# Altium PCB SoDeRa-PCIe_1v0.PcbDoc (part 3 of 8)
Units mm, origin at the board's own origin, x right, y up, seen from the top; angles counter-clockwise.
Board outline 136.85 x 68.9 mm, 12 copper layers (Top, L2, L3, L4, L5, L6, L7, L8, L9, L10, L11, Bottom), stack 1.638 mm thick; 750 components, 495 nets, 3617 pads, 1756 vias.
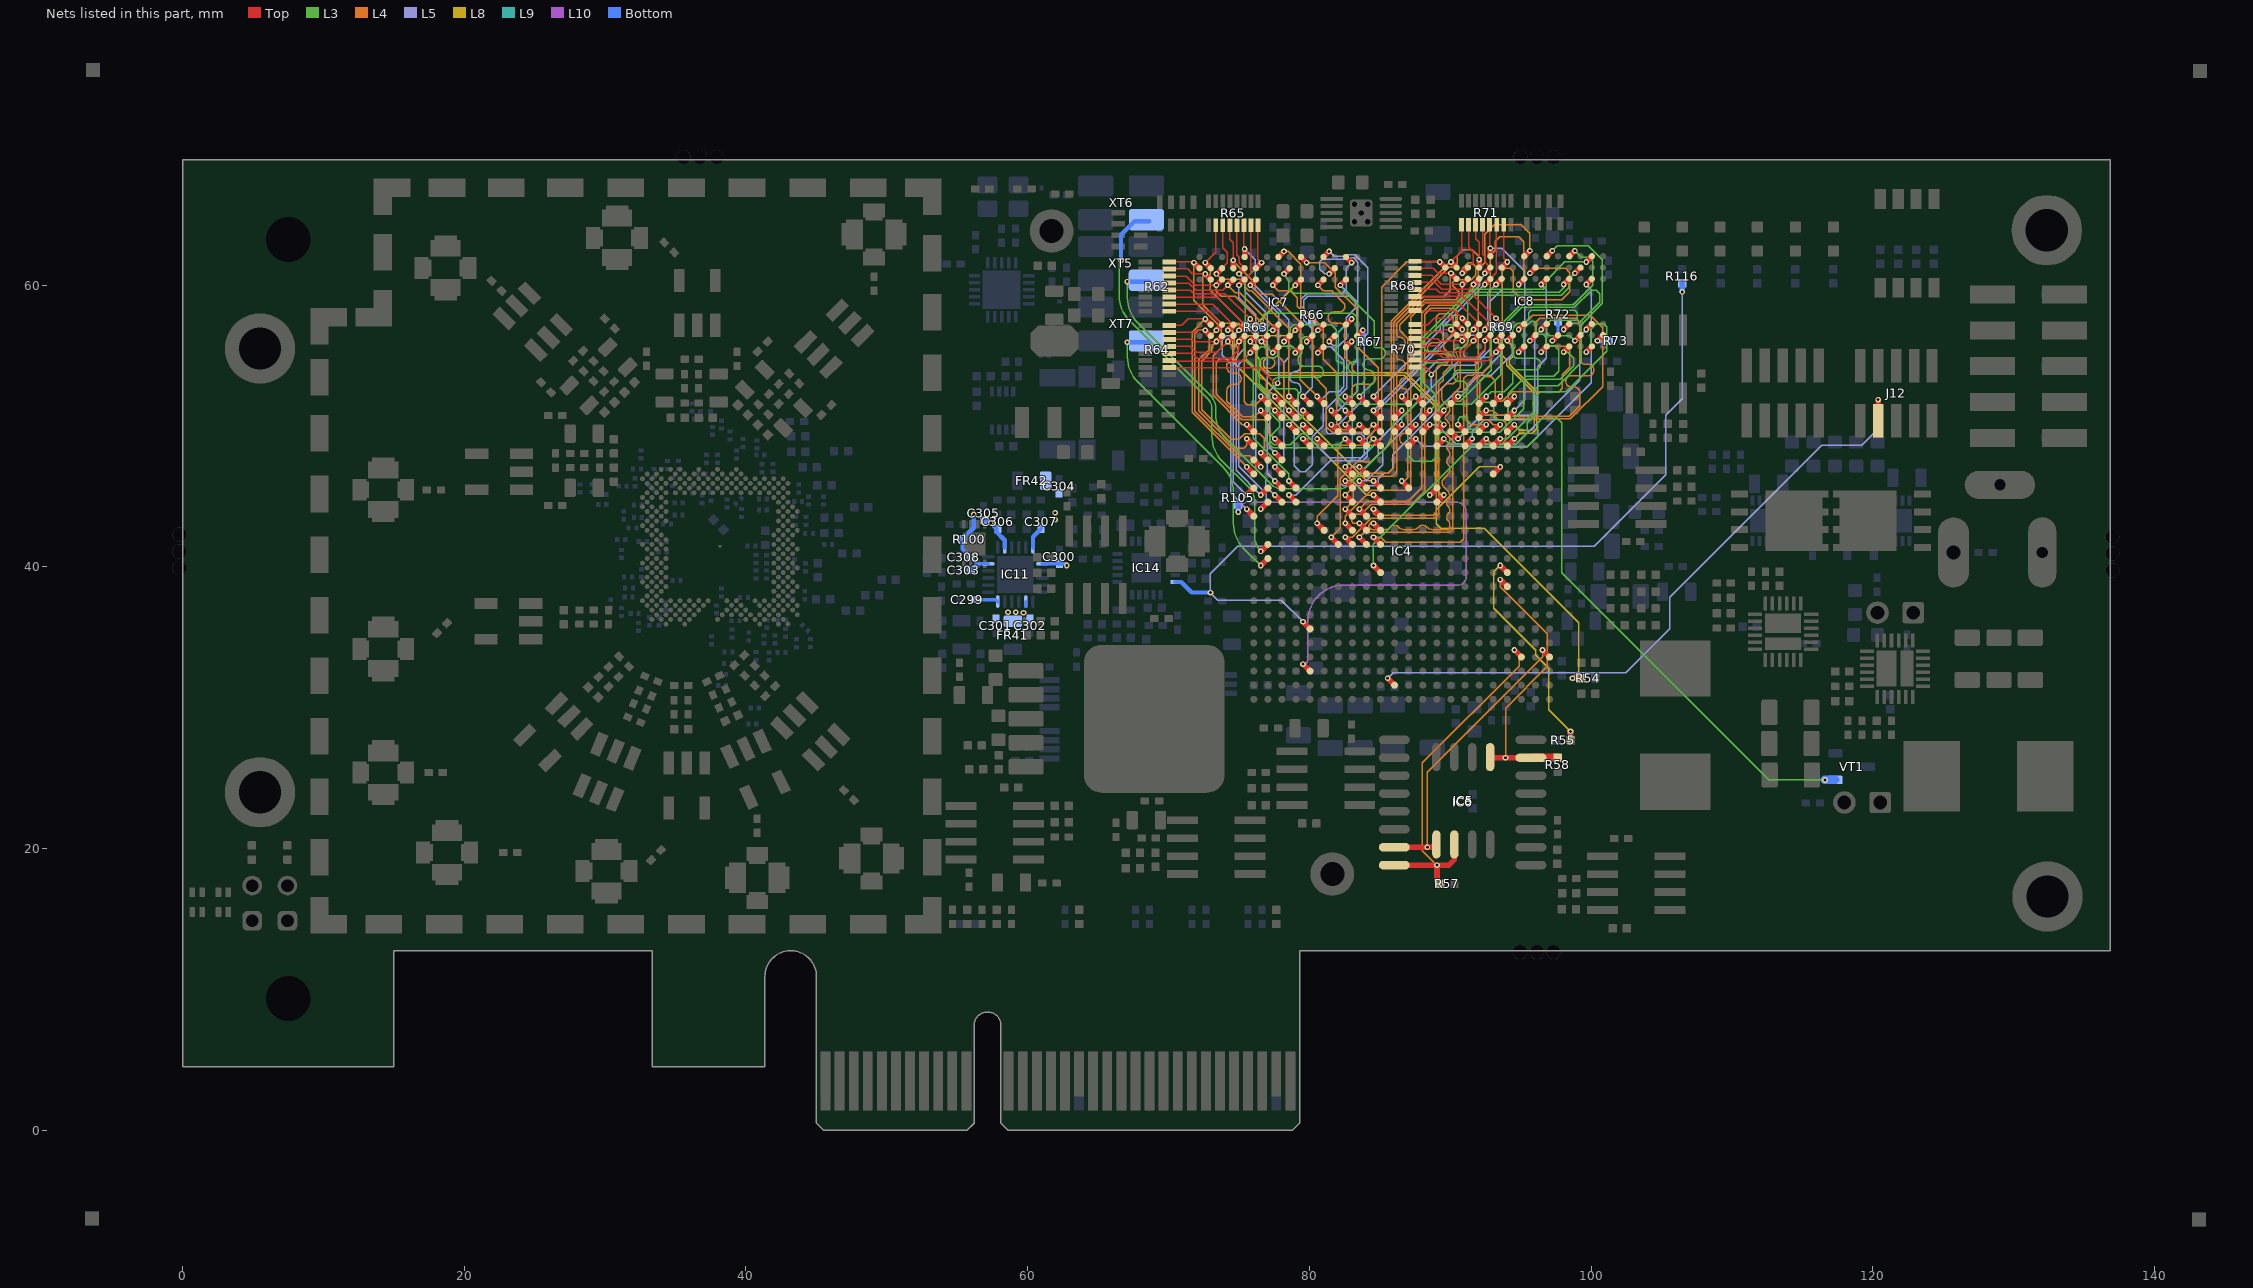
[diagram p13: the nets of this part, all layers, seen from the top]

## Part data
C1 C2 C3 C4 C5 C6 C7 C8 C9 C10 C11 C12 C13 C14 C15 C16 C17 C18 C19 C20 C21 C22 C23 C24 C25 C26 C27 C28 C29 C30 C31 C32 C33 C34 C35 C36 C37 C38 C39 C40 C41 C42 C43 C44 C45 C46 C47 C48 C49 C50 C51 C52 C53 C54 C55 C56 C57 C58 C59 C60 C61 C62 C63 C64 C65 C66 C67 C68 C69 C70 C71 C72 C73 C74 C75 C76 C77 C78 C79 C80 C105 C111 C117 C123 C129 C135 C141 C147 C251 C252 C276 C277 C282 C286 C287 C288 C289 C290 C291 C292 C293 C294 C295 C296 C297 C298 C299 C300 C301 C302 C303 C304 C305 C306 C307 C308 C309 C312 C313 C314 C315 C316 C317 C318 C319 C320 C321 C322 C323 C324 C325 C326 C327 C330 C331 C332 C336 C338 C340 C342 C343 C349 C350 C351 C352 C353 C354 C356 C357 C358 C363 C364 C365 C366 C367 C368 C369 C370 C373 C374 C376 C377 C378 C379 C380 C384 C385 C386 C387 C388 C390 C391 C395 MN9 MN10 MN11 MN12 MN13 MN14 MN15 MN16 MN23 MN26 MN27 MN28 MN29 MN30 MN31 MN32 MN33 MN35 MN36 MN37 MN39 MN40 MN41 MN42 MN43 MN44 MN45 MN46 MN47 MN48 MN49 MN51 MN52 MN53 MN55 MN56: library part Cap_0402
C81 C82 C83 C84 C85 C86 C87 C88 C89 C90 C91 C92 C93 C94 C95 C96 C97 C98 C99 C103 C104 C106 C109 C110 C112 C115 C116 C118 C121 C122 C124 C127 C128 C130 C133 C134 C136 C139 C140 C142 C145 C146 C148 C149 C150 C151 C152 C153 C154 C155 C156 C157 C158 C159 C160 C161 C162 C163 C164 C165 C166 C167 C168 C169 C170 C171 C172 C173 C174 C175 C176 C177 C178 C179 C180 C181 C182 C183 C184 C185 C186 C187 C188 C189 C190 C191 C192 C193 C194 C195 C196 C197 C198 C199 C200 C201 C202 C203 C204 C205 C206 C207 C208 C209 C210 C211 C212 C213 C214 C215 C216 C217 C218 C219 C220 C221 C222 C223 C224 C225 C226 C227 C228 C229 C230 C231 C232 C233 C234 C236 C237 C238 C239 C240 C241 C242 C243 C245 C246 C247 C248 C250 C253 C254 C256 C257 C258 C259 C261 C262 C263 C264 C266 C267 C268 C269 C270 C271 C272 C273 C275 C278 C279 C280 C281 C283 C284 C285 C310 C311 C328 C329 C333 C334 C335 C337 C339 C341 C344 C345 C346 C347 C348 C355 C362 C371 C372 C375 C389 C392 C393 C394 C396: library part Cap_0603
C100 C101 C102 C107 C108 C113 C114 C119 C120 C125 C126 C131 C132 C137 C138 C143 C144 C255 C359 C360 C361 C381 C382 C383: library part Cap_1206
C235 C244 C249 C260 C265 C274: library part 4X_cap_array_1206
FR36 FR37 FR38 FR39 FR41 FR42 FR44 FR49 FR50 FR51 FR52 FR53 FR54 FR55: library part Ferrite
IC13: "Single 8-Bit nanoDAC with SPI Interface in LFCSP and SC70, 2.7 to 5.5 V, <100 uA, -40 to +125 degC, KS-6, Pb-Free, Reel"
J1 J2 J3 J4 J5 J6 J7 J8 J9 J10: library part RF_IF_connector, "CONN UMC RCPT STR 50 OHM SMD"
J11: library part JTAG_connector_10pin
J12 J13: library part "Header 5X2_SWD", "Header, 5-Pin, Dual row"
J14 J17: library part Jumper
J15: library part RF_IF_connector
J16: "Power Connector, THT, 2.1mm ID, 5.5mm OD"
L1 L2 MN1 MN2 MN3 MN4 MN5 MN6 MN7 MN8 MN17 MN18 MN19 MN20 MN21 MN22 MN24 MN25 MN34 MN38 MN50 MN54: library part Inductor_0603
LED1 LED4: library part LED_green_red_SMD
LEDS1: library part LEDx2_STANDOFF
MECH1 MECH2 MECH3 MECH4: library part "STANDOFF_M-F_THREADED_M3x8x10mm_HEX_5mm dia", "STANDOFF M/F MET 5MM HEX 10MM L"
R1 R2 R3 R4 R5 R6 R7 R8 R9 R10 R11 R12 R13 R14 R15 R16 R17 R18 R19 R20 R21 R22 R23 R24 R25 R26 R27 R28 R29 R30 R31 R32 R33 R34 R35 R36 R37 R38 R39 R40 R41 R42 R43 R44 R45 R46 R47 R48 R49 R50 R51 R52 R53 R54 R55 R56 R57 R58 R59 R60 R61 R63 R66 R67 R69 R72 R73 R74 R75 R76 R77 R78 R79 R80 R81 R82 R83 R84 R85 R86 R87 R88 R89 R90 R91 R92 R93 R94 R95 R96 R97 R98 R99 R100 R101 R102 R103 R104 R105 R106 R107 R108 R109 R110 R111 R112 R113 R114 R115 R116 R117 R118 R119 R120 R121 R122 R123 R124 R125 R126 R127 R128 R129 R130 R131 R132 R133 R134 R135 R136 R137 R138 R139 R140 R141 R142 R143 R144 R145 R146 R147 R148 R149 R150 R151 R152 R153 R154 R155 R156 R157 R158: library part Res_0402
R62 R64 R65 R68 R70 R71: library part 8X_resistor_array_0402
SW1: library part SW_SM_4bit
T1 T2 T5 T6 T9 T10: library part Balun
T3 T4 T7 T8: library part Balun_v2
TP1 TP2: "Test Point PCB mount Miniature White"
VT2 VT3: library part BSC093N04LS_G
XT1: library part RPT7050A
XT2 XT3: library part TXCO
XT4: library part CRYSTAL_19M2, "Oscillator Crystal 25 MHz"
XT5 XT6 XT7: library part CRYSTAL, "Oscillator Crystal"

## Free pads (board coordinates)
  rect 0.996x0.996 smd far side: 0(-6.426,-6.25) 0(-6.35,75.276) 0(143.15,-6.326) 0(143.226,75.2)
  rect 0.996x0.996 smd: 0(-6.426,-6.25) 0(-6.35,75.276) 0(143.15,-6.326) 0(143.226,75.2)
  rect 0.996x0.996 on Mech1: 0(-6.426,-6.25) 0(-6.35,75.276) 0(143.15,-6.326) 0(143.226,75.2)
  round 1 hole 1: 2(-0.225,42.3) 2(37.95,69.1) 2(94.95,12.65) 2(97.35,69.1) 2(137,39.75) 3(-0.225,41.1) 3(36.75,69.1) 3(96.15,12.65) 3(96.15,69.1) 3(137,40.95) 4(-0.225,39.925) 4(35.575,69.1) 4(94.975,69.1) 4(97.325,12.65) 4(137,42.125)
  rect 1.3x2.6 smd: 12(53.225,58.075) 14(53.225,62.275) 15(9.725,19.375) 15(9.725,23.675) 15(9.725,27.975) 15(9.725,32.275) 15(9.725,36.575) 15(9.725,40.875) 15(9.725,45.175) 15(9.725,49.475) 15(9.725,15.275) 15(9.725,53.475) 15(9.725,57.075) 15(14.225,66.275) 15(14.225,62.325) 15(14.225,58.375) 15(53.225,19.375) 15(53.225,23.675) 15(53.225,27.975) 15(53.225,32.275) 15(53.225,36.575) 15(53.225,40.875) 15(53.225,45.175) 15(53.225,49.475) 15(53.225,53.775) 15(53.225,66.275) 15(53.225,15.275)
  rect 2.6x1.3 smd: 15(10.375,14.625) 15(10.375,57.725) 15(13.575,57.725) 15(14.275,14.625) 15(14.875,66.925) 15(18.575,14.625) 15(18.775,66.925) 15(22.875,14.625) 15(22.975,66.925) 15(27.175,66.925) 15(27.175,14.625) 15(31.475,66.925) 15(31.475,14.625) 15(35.775,66.925) 15(35.775,14.625) 15(40.075,66.925) 15(40.075,14.625) 15(44.375,66.925) 15(44.375,14.625) 15(48.675,66.925) 15(48.675,14.625) 15(52.575,66.925) 15(52.575,14.625)
  round 2.88 hole 3.18 unplated: MH1(7.5,9.35) MH2(7.5,63.25)

## Via types
v1: diameter 0.4, hole 0.2, Top to Bottom, tented both sides, 1521 vias
v2: diameter 0.4, hole 0.2, Top to Bottom, tented top, 129 vias
v3: diameter 0.35, hole 0.2, Top to Bottom, tented top, 86 vias
v4: diameter 0.5, hole 0.2, Top to Bottom, tented both sides, 20 vias

## Nets (pads, with @x,y where several pads share a name; then routed paths per layer and width w, separated by ;. In a path a pad name is that pad's centre, name@x,y a point inside that pad or via, vN(x,y) a via of type N, cw(c..) or ccw(c..) an arc to the next point about the centre after c; other vN are vias at no path point)
+1.8V_DIG_LMK: C304.2 C305.2 C306.2 C307.2 FR42.2 IC11.2 IC11.6 | length 4.3
  Bottom w0.3: C305.2@56.85,43.312 57.175,43.312 57.775,42.712 57.775,42.487 58.375,41.887 IC11.2@58.375,41.387 ; IC11.6@60.375,41.387 60.375,42.137 C307.2@60.95,42.712
  other v1: 57.375,43.125 61.95,43.35 61.95,43.85
+3.3V_DIG_LMK: C299.2 C300.2 C301.2 C302.2 C303.2 C308.2 FR41.2 IC11.8 IC11.14 IC11.18 IC11.23 R100.1 | length 9.6
  Bottom w0.25: R100.1@55.35,41.95 55.35,41.275 C308.2@55.95,40.675 56.413,40.212 ; C303.2@55.95,39.75 56.412,40.212 ; C299.2@56.225,37.675 57.737,37.675 IC11.18@57.875,37.537 ; IC11.23@57.2,40.212 56.413,40.212 ; IC11.14@59.875,37.2 IC11.14@59.875,37.537 ; IC11.8@61.05,40.212 C300.2@62.25,40.212 62.663,40.212 v1(62.775,40.1)
  Bottom w0.3: R100.1@55.35,41.95 56.175,42.775 v1(56.175,43.725)
  other v1: 59.7,36.75 58.6,36.775 59.15,36.775
ADF_MUXOUT: IC4.F18 IC14.15 R116.2 | length 61.6
  Top w0.4: v1(79.55,36.1) IC4.F18@80.05,35.6
  L5 w0.1: v1(79.55,36.1) 78,37.65 73.5,37.65 v1(72.975,38.175) 72.975,39.5 74.925,41.45 100.212,41.45 105.312,46.55 105.3,46.562 105.3,50.75 106.47,51.92 v1(106.47,59.525)
  Bottom w0.3: IC14.15@70.475,38.925 70.9,38.925 71.65,38.175 v1(72.975,38.175)
  Bottom w0.4: v1(106.47,59.525) R116.2@106.47,60.125
CLK50_FPGA_1: IC4.M21 XT6.3 | length 29.4
  Top w0.4: v1(76.55,41.1) IC4.M21@77.05,41.6
  L3 w0.1: v1(66.625,61.775) ccw(c66.927,61.473) 66.5,61.473 66.5,59.277 ccw(c69.04,59.277) 67.244,57.481 72.808,51.917 cw(c72.165,51.274) 73.074,51.274 73.074,49.303 ccw(c75.614,49.303) 73.818,47.507 75.648,45.677 cw(c74.495,44.525) 76.125,44.525 76.125,42.126 ccw(c77.576,42.126) v1(76.55,41.1)
  Bottom w0.309: v1(66.625,61.775) 66.625,63.575 67.598,64.548 XT6.3@68.626,64.548
CLK50_FPGA_2: IC4.L21 XT7.3 | length 21.7
  Top w0.4: v1(76.55,40.1) IC4.L21@77.05,40.6
  L3 w0.1: v1(67.075,55.95) 67.075,54.927 ccw(c69.615,54.927) 67.819,53.131 73.856,47.094 cw(c72.06,45.298) 74.6,45.298 74.6,43.102 ccw(c77.14,43.102) 75.344,41.306 v1(76.55,40.1)
  Bottom w0.309: v1@67.077,55.948 XT7.3@68.626,55.948
CLK100_FPGA: IC4.AA12 XT5.3 | length 32.9
  Top w0.4: IC4.AA12@86.05,50.6 v1(86.55,51.1)
  L3 w0.1: v1(67.075,60.25) 67.075,59.122 ccw(c69.615,59.122) 67.819,57.326 72.929,52.216 cw(c71.914,51.2) 73.35,51.2 73.35,50.857 ccw(c75.89,50.857) 74.094,49.061 77.326,45.829 ccw(c78,46.504) 78,45.55 82.191,45.55 ccw(c82.191,46.284) 82.71,45.765 ; 82.71,45.765 85.338,48.393 ccw(c83.981,49.75) 85.9,49.75 cw(c87.59,49.75) 86.395,50.945 v1(86.55,51.1)
  Bottom w0.309: v1(67.075,60.25) XT5.3@68.625,60.25
DDR2_1_A0: IC4.W20 IC7.M8 R64.5 | length 16.7
  Top w0.1: R64.5@70.05,55.65 71.55,55.65 71.975,55.225 73.425,55.225 v1(74.2,56)
  Top w0.4: v1(74.2,56) IC7.M8@74.6,56.4 ; v1(77.55,49.1) IC4.W20@78.05,48.6
  L4 w0.1: v1(74.2,56) 74.2,55.975 74.625,55.55 74.625,54.925 74.475,54.775 73.65,54.775 73.375,54.5 73.375,52.258 75.183,50.45 76.8,50.45 77.125,50.125 77.125,49.525 v1(77.55,49.1)
DDR2_1_A1: IC4.AA19 IC7.M3 R62.5 | length 16.8
  Top w0.1: R62.5@70.05,60.15 71.45,60.15 71.95,59.65 73.85,59.65 v1(74.2,60)
  Top w0.4: v1(74.2,60) IC7.M3@74.6,60.4 ; v1(78.55,51.1) IC4.AA19@79.05,50.6
  L4 w0.1: v1(74.2,60) 74.75,59.45 75.055,59.45 77.355,57.15 77.545,57.15 77.75,56.945 77.75,55 78.175,54.575 78.175,51.475 v1(78.55,51.1)
DDR2_1_A2: IC4.AA21 IC7.M7 R62.2 | length 16.7
  Top w0.1: R62.2@70.05,58.65 73.15,58.65 IC7.M7@74.6,57.2
  Top w0.4: v1(74.2,56.8) IC7.M7@74.6,57.2 ; v1(76.55,51.1) IC4.AA21@77.05,50.6
  L4 w0.1: v1(74.2,56.8) 74.45,56.8 74.65,56.6 74.65,55.855 74.925,55.58 74.925,54.925 74.908,54.925 74.558,54.575 74.35,54.575 74.15,54.375 74.15,54.15 ccw(c74.55,54.15) 74.55,53.75 74.75,53.75 cw(c74.75,53.35) 75.15,53.35 cw(c74.75,53.35) 74.75,52.95 74.55,52.95 ccw(c74.55,52.55) 74.15,52.55 74.15,52.5 74.15,51.766 75.266,50.65 76.1,50.65 v1(76.55,51.1)
DDR2_1_A3: IC4.AB19 IC7.N2 R65.3 | length 16.4
  Top w0.1: IC7.N2@73.8,61.2 74.175,61.575 74.175,62.325 73.85,62.65 R65.3@73.85,64.25
  Top w0.4: v1(73.4,60.8) IC7.N2@73.8,61.2 ; v1(78.55,52.1) IC4.AB19@79.05,51.6
  L4 w0.1: v1(73.4,60.8) 73.775,60.425 75.175,60.425 75.45,60.15 75.45,59.855 75.705,59.6 75.895,59.6 78.55,56.945 v1(78.55,52.1)
DDR2_1_A4: IC4.V21 IC7.N8 R64.6 | length 16.7
  Top w0.1: R64.6@70.05,56.15 71.65,56.15 71.8,56 v1(73.4,56)
  Top w0.4: v1(73.4,56) IC7.N8@73.8,56.4 ; v1(76.55,48.1) IC4.V21@77.05,47.6
  L4 w0.1: v1(73.4,56) 73.075,55.675 73.075,55.342 72.35,54.617 72.35,51.158 74.458,49.05 75,49.05 75.4,49.45 76.475,49.45 76.8,49.125 76.8,48.35 v1(76.55,48.1)
DDR2_1_A5: IC4.AB20 IC7.N3 R62.6 | length 16.5
  Top w0.1: R62.6@70.05,60.65 71.25,60.65 71.9,60 v1(73.4,60)
  Top w0.4: v1(73.4,60) IC7.N3@73.8,60.4 ; v1(77.55,52.1) IC4.AB20@78.05,51.6
  L4 w0.1: v1(73.4,60) 73.4,59.575 73.75,59.225 74.725,59.225 76.95,57 76.95,55.475 76.95,55.081 ccw(c77.131,55.081) 77.131,54.9 cw(c77.131,54.5) 77.531,54.5 cw(c77.131,54.5) 77.131,54.1 76.95,54.1 76.8,54.1 ccw(c76.8,53.7) 76.4,53.7 ccw(c76.8,53.7) 76.8,53.3 cw(c76.8,53.15) 76.95,53.15 76.95,52.9 76.95,52.7 v1(77.55,52.1)
DDR2_1_A6: IC4.W22 IC7.N7 R62.1 | length 16.7
  Top w0.1: R62.1@70.05,58.15 72.85,58.15 IC7.N7@73.8,57.2
  Top w0.4: v1(73.4,56.8) IC7.N7@73.8,57.2 ; v1(75.55,49.1) IC4.W22@76.05,48.6
  L4 w0.1: v1(73.4,56.8) 72.875,56.275 72.875,55.425 72.15,54.7 72.15,51.075 74.8,48.425 75.325,48.425 75.55,48.65 v1(75.55,49.1)
DDR2_1_A7: IC4.AA20 IC7.P2 R65.2 | length 16.8
  Top w0.1: v1(72.6,61.6) 73.35,62.35 R65.2@73.35,64.25
  Top w0.4: v1(72.6,61.6) IC7.P2@73,61.2 ; v1(77.55,51.1) IC4.AA20@78.05,50.6
  L4 w0.1: v1(72.6,61.6) 72.95,61.25 72.95,59.65 76.2,56.4 76.2,53.1 76.975,52.325 76.975,51.675 v1(77.55,51.1)
DDR2_1_A8: IC4.V22 IC7.P8 R64.7 | length 16.5
  Top w0.1: R64.7@70.05,56.65 71.85,56.65 72,56.8 v1(72.6,56.8)
  Top w0.4: v1(72.6,56.8) IC7.P8@73,56.4 ; IC4.V22@76.05,47.6 v1(76.55,47.1)
  L4 w0.1: v1(72.6,56.8) 72.125,56.8 71.875,56.55 71.875,51.067 75.067,47.875 75.775,47.875 v1(76.55,47.1)
DDR2_1_A9: IC4.AB21 IC7.P3 R62.7 | length 16.8
  Top w0.1: R62.7@70.05,61.15 71.35,61.15 71.7,60.8 v1(72.6,60.8)
  Top w0.4: v1(72.6,60.8) IC7.P3@73,60.4 ; v1(76.55,52.1) IC4.AB21@77.05,51.6
  L4 w0.1: v1(72.6,60.8) 72.425,60.625 72.425,58.6 73.725,57.3 74.995,57.3 75.367,56.928 75.367,51.708 75.575,51.5 76.2,51.5 76.55,51.85 v1(76.55,52.1)
DDR2_1_A10: IC4.AB17 IC7.M2 R65.4 | length 16.5
  Top w0.1: R65.4@74.35,64.25 74.35,63.25 74.6,63 v1(74.6,61.766)
  Top w0.4: IC7.M2@74.6,61.2 v1(74.6,61.766) ; v1(80.55,52.1) IC4.AB17@81.05,51.6
  L4 w0.1: v1(74.6,61.766) 74.6,61.695 76.15,60.145 76.15,59.675 76.475,59.35 77.375,59.35 79.35,57.375 79.35,53.3 v1(80.55,52.1)
DDR2_1_A11: IC4.U22 IC7.P7 R64.8 | length 16.5
  Top w0.1: R64.8@70.05,57.15 70.95,57.15 71.4,57.6 v1(72.6,57.6)
  Top w0.4: v1(72.6,57.6) IC7.P7@73,57.2 ; v1(75.55,47.1) IC4.U22@76.05,46.6
  L4 w0.1: v1(72.6,57.6) 71.675,56.675 71.675,50.975 v1(75.55,47.1)
DDR2_1_A12: IC4.Y22 IC7.R2 R62.8 | length 16.8
  Top w0.1: R62.8@70.05,61.65 71.75,61.65 v1(71.8,61.6)
  Top w0.4: v1(71.8,61.6) IC7.R2@72.2,61.2 ; v1(75.55,50.1) IC4.Y22@76.05,49.6
  L4 w0.1: v1(71.8,61.6) 71.8,58.942 73.642,57.1 73.65,57.1 73.75,57 73.75,55.575 73.175,55 73.175,52.175 75.25,50.1 v1(75.55,50.1)
DDR2_1_BA0: IC4.T20 IC7.L2 R65.5 | length 20.3
  Top w0.1: R65.5@74.85,64.25 74.85,62.15 75.025,61.975 75.025,61.575 IC7.L2@75.4,61.2
  Top w0.4: v1(75,60.8) IC7.L2@75.4,61.2 ; v1(77.55,46.1) IC4.T20@78.05,45.6
  L5 w0.1: v1(75,60.8) 75.4,60.4 75.4,59.575 77,57.975 77,46.65 v1(77.55,46.1)
DDR2_1_BA1: IC4.R20 IC7.L3 R65.7 | length 21.3
  Top w0.1: IC7.L3@75.4,60.4 75.825,60.825 75.825,64.25 R65.7@75.85,64.25
  Top w0.4: v1(75,60) IC7.L3@75.4,60.4 ; v1(77.55,45.1) IC4.R20@78.05,44.6
  L5 w0.1: v1(75,60) 75,59.1 76.2,57.9 76.2,46.955 76.9,46.255 76.9,45.75 v1(77.55,45.1)
DDR2_1_BA2: IC4.U20 IC7.L1 R65.6 | length 20.2
  Top w0.1: R65.6@75.35,64.25 75.35,62.616 v1(75.4,62.566)
  Top w0.4: IC7.L1@75.4,62 v1(75.4,62.566) ; v1(77.55,47.1) IC4.U20@78.05,46.6
  L5 w0.1: v1(75.4,62.566) 76.15,61.816 76.15,59.955 78.55,57.555 78.55,54.875 78.175,54.5 78.175,47.725 v1(77.55,47.1)
DDR2_1_CASN: IC4.P22 IC7.L7 R62.3 | length 21.6
  Top w0.1: R62.3@70.05,59.15 73.45,59.15 IC7.L7@75.4,57.2
  Top w0.4: v1(75,56.8) IC7.L7@75.4,57.2 ; v1(75.55,44.1) IC4.P22@76.05,43.6
  L5 w0.1: v1(75,56.8) 74.6,56.4 74.105,56.4 73.825,56.12 73.825,55.025 74.4,54.45 74.4,45.25 v1(75.55,44.1)
DDR2_1_CK_N: IC4.T9 IC7.K8 R63.2 | length 24.9
  Top w0.4: v1(75.8,56) IC7.K8@76.2,56.4 ; v1(88.55,45.1) IC4.T9@89.05,45.6
  L8 w0.1: v1(75.8,56) 76.25,55.55 76.25,54.95 76.55,54.65 76.55,54.167 77.117,53.6 86.75,53.6 88.95,51.4 88.95,45.325 88.725,45.1 v1(88.55,45.1)
  Bottom w0.1: R63.2@75.7,57 76.1,56.6 76.1,56.2 75.9,56 v1(75.8,56)
DDR2_1_CK_P: IC4.R9 IC7.J8 R63.1 | length 24.9
  Top w0.4: v1(76.6,56) IC7.J8@77,56.4 ; IC4.R9@89.05,44.6 v1(89.55,45.1)
  L8 w0.1: v1(76.6,56) 77.05,55.55 77.05,54.95 76.75,54.65 76.75,54.25 77.2,53.8 86.833,53.8 89.15,51.483 89.15,45.325 89.375,45.1 v1(89.55,45.1)
  Bottom w0.1: v1(76.6,56) 76.5,56 76.3,56.2 76.3,56.6 R63.1@76.7,57
DDR2_1_CKE: IC4.T19 IC7.K2 R65.8 | length 21.3
  Top w0.1: R65.8@76.35,64.25 76.35,61.85 v1(76.6,61.6)
  Top w0.4: IC7.K2@76.2,61.2 v1(76.6,61.6) ; v1(78.55,46.1) IC4.T19@79.05,45.6
  L3 w0.1: v1(76.6,61.6) 75.45,60.45 75.45,54.825 76,54.275 76,49.15 78.55,46.6 v1(78.55,46.1)
DDR2_1_CSN: IC4.T22 IC7.L8 R64.4 | length 18.7
  Top w0.1: R64.4@70.05,55.15 71.65,55.15 72,54.8 74.4,54.8 75,55.4 v1(75,56)
  Top w0.4: v1(75,56) IC7.L8@75.4,56.4 ; v1(75.55,45.1) IC4.T22@76.05,45.6
  L5 w0.1: v1(75,56) 74.6,55.6 74.6,46.05 v1(75.55,45.1)
DDR2_1_DM0: IC4.R13 IC7.F3 | length 23.2
  Top w0.4: v1(79,60) IC7.F3@79.4,60.4 ; v1(84.55,45.1) IC4.R13@85.05,44.6
  L8 w0.1: v1(79,60) 76.2,57.2 74.875,57.2 74.575,56.9 74.575,54.58 84.055,45.1 v1(84.55,45.1)
DDR2_1_DM1: IC4.U15 IC7.B3 | length 15
  Top w0.4: v1(82.2,60) IC7.B3@82.6,60.4 ; v1(82.55,47.1) IC4.U15@83.05,46.6
  L9 w0.1: v1(82.2,60) 83.4,58.8 83.4,54.65 83.05,54.3 83.05,47.6 v1(82.55,47.1)
DDR2_1_DQ0: IC4.AB10 IC7.G8 | length 17.4
  Top w0.4: v1(78.2,56) IC7.G8@78.6,56.4 ; v1(87.55,52.1) IC4.AB10@88.05,51.6
  L3 w0.1: v1(78.2,56) 78.65,56.45 78.65,56.945 78.905,57.2 81.534,57.2 81.9,56.834 81.9,54.95 81.9,54.75 ccw(c82.1,54.75) 82.1,54.55 cw(c82.1,54.15) 82.5,54.15 cw(c82.1,54.15) 82.1,53.75 ccw(c82.1,53.55) 81.9,53.55 81.9,53.325 81.9,52.2 82.55,51.55 87,51.55 v1(87.55,52.1)
DDR2_1_DQ1: IC4.AB14 IC7.G2 | length 17.5
  Top w0.4: v1(78.2,60.8) IC7.G2@78.6,61.2 ; v1(83.55,52.1) IC4.AB14@84.05,51.6
  L3 w0.1: v1(78.2,60.8) 78.2,60.7 78.55,60.35 78.55,59.75 78.875,59.425 82.6,59.425 84.6,57.425 84.6,55.675 ccw(c84.7,55.675) 84.7,55.575 85,55.575 cw(c85,55.175) 85.4,55.175 cw(c85,55.175) 85,54.775 84.6,54.775 84.2,54.775 ccw(c84.2,54.375) 83.8,54.375 ccw(c84.2,54.375) 84.2,53.975 cw(c84.2,53.575) 84.6,53.575 84.6,53.15 v1(83.55,52.1)
DDR2_1_DQ2: IC4.AB15 IC7.H7 | length 17.5
  Top w0.4: v1(77.4,56.8) IC7.H7@77.8,57.2 ; v1(82.55,52.1) IC4.AB15@83.05,51.6
  L3 w0.1: v1(77.4,56.8) 76.975,56.8 76.725,57.05 76.725,57.85 76.875,58 83.095,58 83.35,57.745 83.35,55.325 83.35,54.775 cw(c83.15,54.775) 83.15,54.575 ccw(c83.15,54.175) 82.75,54.175 ccw(c83.15,54.175) 83.15,53.775 83.35,53.775 83.55,53.775 cw(c83.55,53.375) 83.95,53.375 cw(c83.55,53.375) 83.55,52.975 ccw(c83.55,52.775) 83.35,52.775 83.35,52.575 83.35,52.4 83.05,52.1 v1(82.55,52.1)
DDR2_1_DQ3: IC4.Y13 IC7.H3 | length 17.1
  Top w0.4: v1(77.4,60) IC7.H3@77.8,60.4 ; v1(84.55,50.1) IC4.Y13@85.05,49.6
  L4 w0.1: v1(77.4,60) 77.8,59.6 78.65,59.6 79.15,59.1 79.15,58.5 79.2,58.45 79.2,58.442 80.225,57.417 80.225,53.637 81.2,52.662 81.2,49.955 81.605,49.55 84,49.55 v1(84.55,50.1)
DDR2_1_DQ4: IC4.Y14 IC7.H1 | length 17.2
  Top w0.4: IC7.H1@77.8,62 v1(78.2,62.4) ; v1(83.55,50.1) IC4.Y14@84.05,49.6
  L4 w0.1: v1(78.2,62.4) 78.5,62.4 79.4,61.5 79.4,58.525 81,56.925 81,54.725 81.925,53.8 81.925,50.15 82.325,49.75 83.2,49.75 v1(83.55,50.1)
DDR2_1_DQ5: IC4.W13 IC7.H9 | length 17.5
  Top w0.4: v1(77.4,55.2) IC7.H9@77.8,55.6 ; v1(84.55,49.1) IC4.W13@85.05,48.6
  L3 w0.1: v1(77.4,55.2) 76.975,55.625 76.53,55.625 76.25,55.345 76.25,52.917 76.9,52.267 76.9,48.972 77.397,48.475 83.925,48.475 v1(84.55,49.1)
DDR2_1_DQ6: IC4.W14 IC7.F1 | length 17.5
  Top w0.4: IC7.F1@79.4,62 v1(79.8,61.6) ; v1(83.55,49.1) IC4.W14@84.05,48.6
  L4 w0.1: v1(79.8,61.6) 81.095,61.6 81.85,60.845 81.85,59.855 83.35,58.355 83.35,55.675 84.9,54.125 84.9,49.945 84.055,49.1 v1(83.55,49.1)
DDR2_1_DQ7: IC4.W15 IC7.F9 | length 17.6
  Top w0.4: v1(79,55.2) IC7.F9@79.4,55.6 ; v1(82.55,49.1) IC4.W15@83.05,48.6
  L3 w0.1: v1(79,55.2) 79,55.45 78.8,55.65 78.025,55.65 77.775,55.4 77.775,55.075 77.55,54.85 76.675,54.85 76.45,54.625 76.45,53 77.1,52.35 77.1,51.055 77.9,50.255 77.9,49.955 77.2,49.255 77.2,48.955 77.48,48.675 78.63,48.675 79.405,49.45 79.695,49.45 80.47,48.675 82.125,48.675 v1(82.55,49.1)
DDR2_1_DQ8: IC4.AB18 IC7.C8 | length 17
  Top w0.4: v1(79.55,52.1) IC4.AB18@80.05,51.6 ; v1(81.4,56) IC7.C8@81.8,56.4
  L5 w0.1: v1(79.55,52.1) 80.2,52.75 80.2,56.895 79.6,57.495 79.6,58.917 79.883,59.2 82.95,59.2 83.25,58.9 83.25,58.35 82.6,57.7 82.6,56.2 82.1,55.7 81.708,55.7 81.408,56 v1(81.4,56)
DDR2_1_DQ9: IC4.AA16 IC7.C2 | length 17.2
  Top w0.4: v1(81.4,60.8) IC7.C2@81.8,61.2 ; v1(81.55,51.1) IC4.AA16@82.05,50.6
  L5 w0.1: v1(81.4,60.8) 81.095,60.8 80.75,61.145 80.75,61.675 80.925,61.85 82.755,61.85 82.855,61.95 83.145,61.95 83.45,61.645 83.45,52.505 82.045,51.1 v1(81.55,51.1)